# Altium PCB CL-HC-M-V2.1.PcbDoc (part 10 of 19)
Units mil, origin at the board's own origin, x right, y up, seen from the top; angles counter-clockwise.
Board outline 27559.06 x 27559.06 mil, 2 copper layers (TopLayer, BottomLayer); 704 components, 528 nets, 2453 pads, 1851 vias.
Unrouted connection lines stored in the file: 126.
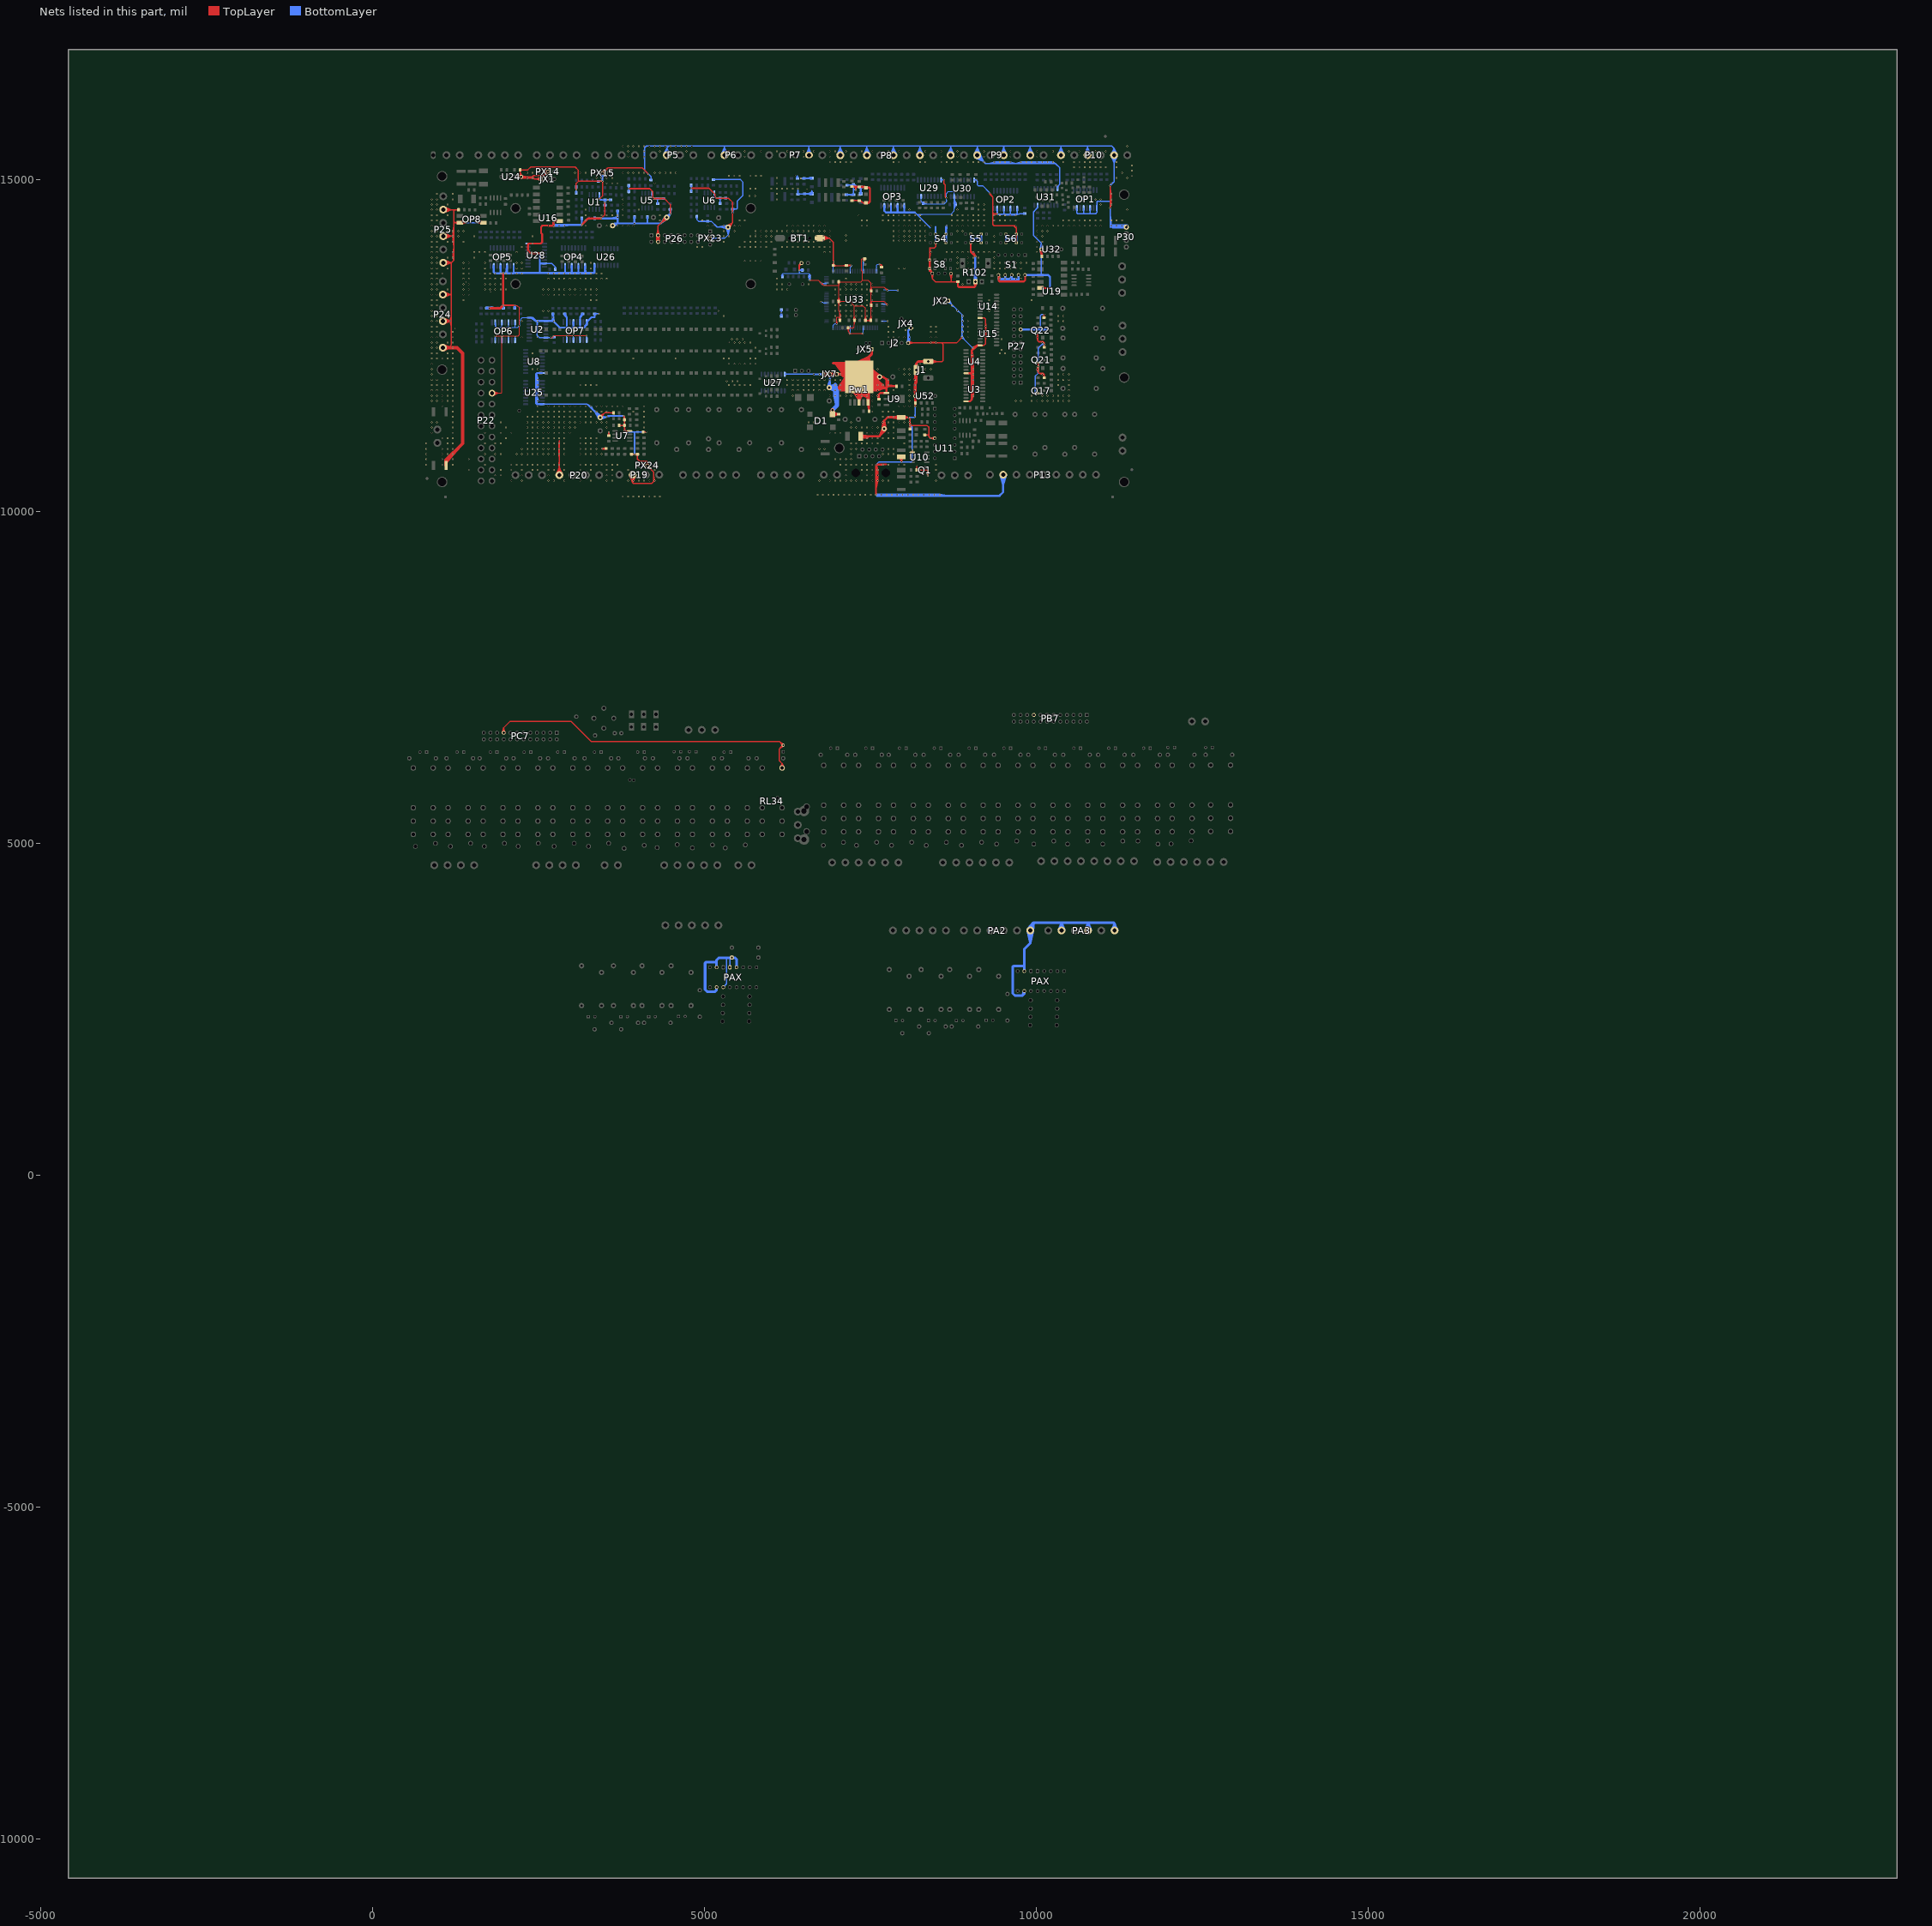
[diagram p10: the nets of this part, all layers, seen from the top]

## Via types
v1: diameter 25, hole 15, TopLayer to BottomLayer, tented both sides, 1813 vias
v2: diameter 20, hole 12, TopLayer to BottomLayer, tented both sides, 24 vias
v3: diameter 25, hole 15, TopLayer to BottomLayer, 13 vias
v4: diameter 40, hole 24, TopLayer to BottomLayer, tented both sides, 1 vias

## Nets (pads, with @x,y where several pads share a name; then routed paths per layer and width w, separated by ;. In a path a pad name is that pad's centre, name@x,y a point inside that pad or via, vN(x,y) a via of type N, cw(c..) or ccw(c..) an arc to the next point about the centre after c; other vN are vias at no path point) (continued)
GND: (continued)
  TopLayer w30: v1(1970.4,13592.11) v1(1970.4,13106.7) ; 2072.9,13106.58 v1(1970.4,13106.7) ; v1(2142.5,13106.58) v1@1970.51,13106.58 ; 2418.51,13890.86 v1(2521.01,13890.86) 2387.57,13890.86 2343.36,13935.08 2343.36,14028.93 2353.44,14039.01 ; 2514.79,14039.01 v1(2412.27,14038.36) 2353.44,14039.01 ; 2628.44,14308.37 v1(2731.13,14305.98) ; U16.3@2803.61,14374.76 v1(2725.75,14374.76) ; U16.3@2823.29,14374.76 v1(2725.75,14374.76) ; 3342.79,14417.71 v1(3445.29,14417.71) 3250.29,14417.71 ; C43.2@3514,10948.14 v1(3464.16,10948.14) C43.2@3519,10948.14 ; C39.1@3560.43,11145.96 v1(3560.43,11194.41) ; v1(6428.19,13637.37) 6428.19,13708.19 RESET1.2@6462.64,13742.64 ; Pw1.3@7144.97,11931.63 7331.74,11693.55 ; Pw1.3@7170.7,11949.73 7331.74,11693.55 ; Pw1.3@7197.74,11964.86 7331.74,11693.55 ; R4.1@7222.76,14895.04 7281.99,14895.04 ; Pw1.3@7225.44,11829.06 v1(7291.13,11745.98) ; Pw1.3@7225.85,11977.02 7331.74,11693.55 ; R4.1@7227.76,14895.04 7281.99,14895.04 ; Pw1.3@7240.18,11839.2 v1(7291.13,11745.98) ; Pw1.3@7252.92,11853.15 v1(7291.13,11745.98) ; Pw1.3@7254.78,11986.2 7331.74,11693.55 ; Pw1.3@7262.8,11878.12 v1(7291.13,11745.98) ; Pw1.3@7271.12,11924.07 v1(7291.13,11745.98) ; v1(7281.99,14846.87) 7281.99,14895.04 ; Pw1.3@7284.29,11992.4 7331.74,11693.55 ; C1.2@7308.54,14895.04 7427.76,14880.04 7337.76,14890.04 DW1.A@7417.76,14895.04 ; Pw1.3@7314.15,11995.63 7331.74,11693.55 ; 7317.55,11782.91 Pw1.3@7331.74,11670.99 ; 7326.58,11782.18 Pw1.3@7331.74,11670.99 ; C1.2@7327.76,14890.04 7281.99,14895.04 ; Pw1.3@7330.97,12010.26 C49.2@7636.33,12005.63 ; Pw1.3@7331.74,11642.84 7331.74,11862.61 Pw1.3@7331.74,12027.84 ; Pw1.3@7331.74,11996.15 7331.74,11693.55 ; Pw1.3@7331.74,12059.53 C49.2@7635.87,12053.37 ; Pw1.3@7331.89,12041.93 C49.2@7635.87,12053.37 ; Pw1.3@7331.99,11980.24 C49.2@7636.33,12005.63 ; Pw1.3@7332.6,12077.11 C49.2@7635.87,12053.37 ; Pw1.3@7333.44,12029.54 Pw1.3@7331.74,12027.84 ; Pw1.3@7333.52,12045.35 C49.2@7636.33,12005.63 ; Pw1.3@7334.5,12012.01 C49.2@7635.87,12053.37 ; Pw1.3@7335.97,11950.36 C49.2@7636.33,12005.63 ; Pw1.3@7336.42,12106.9 C49.2@7635.87,12053.37 ; 7336.9,11782.18 Pw1.3@7331.74,11670.99 ; Pw1.3@7338.89,12074.9 C49.2@7636.33,12005.63 ; Pw1.3@7340.07,11982.38 C49.2@7635.87,12053.37 ; Pw1.3@7342.94,11920.83 C49.2@7636.33,12005.63 ; Pw1.3@7343.19,12136.28 C49.2@7635.87,12053.37 ; 7345.93,11782.91 Pw1.3@7331.74,11670.99 ; Pw1.3@7347.17,12103.89 C49.2@7636.33,12005.63 ; Pw1.3@7348.62,11953.27 C49.2@7635.87,12053.37 ; Pw1.3@7349.33,11995.63 7331.74,11693.55 ; Pw1.3@7352.9,11891.88 C49.2@7636.33,12005.63 ; Pw1.3@7352.91,12165.03 C49.2@7635.87,12053.37 ; DZ1.A@7353.77,11134.27 7639.59,11134.27 ; DZ1.A@7355.37,11154.2 7478.77,11134.27 ; Pw1.3@7358.35,12132.1 C49.2@7636.33,12005.63 ; Pw1.3@7360.14,11924.9 C49.2@7635.87,12053.37 ; Pw1.3@7365.57,12192.91 C49.2@7635.87,12053.37 ; Pw1.3@7365.88,11863.76 C49.2@7636.33,12005.63 ; Pw1.3@7372.4,12159.29 C49.2@7636.33,12005.63 ; Pw1.3@7374.63,11897.52 C49.2@7635.87,12053.37 ; Pw1.3@7379.19,11992.4 7331.74,11693.55 ; Pw1.3@7381.17,12219.68 C49.2@7635.87,12053.37 ; Pw1.3@7381.9,11836.71 C49.2@7636.33,12005.63 ; Pw1.3@7389.33,12185.23 C49.2@7636.33,12005.63 ; Pw1.3@7391.16,11919.5 v1(7371.13,11745.98) ; Pw1.3@7392.12,11871.38 C49.2@7635.87,12053.37 ; Pw1.3@7399.53,11875.04 v1(7371.13,11745.98) ; Pw1.3@7399.69,12245.08 C49.2@7635.87,12053.37 ; Pw1.3@7408.7,11986.2 7331.74,11693.55 ; Pw1.3@7409.09,12209.67 C49.2@7636.33,12005.63 ; Pw1.3@7409.64,11851.29 v1(7371.13,11745.98) ; Pw1.3@7422.38,12029.54 C49.2@7640.45,12029.54 ; Pw1.3@7422.72,11838.29 v1(7371.13,11745.98) ; DW5.A@7432.76,14650.04 7476.39,14650.04 ; Pw1.3@7437.64,11828.54 v1(7371.13,11745.98) ; Pw1.3@7437.62,11977.02 7331.74,11693.55 ; DW1.A@7437.76,14880.04 7484.46,14880.04 ; Pw1.3@7465.73,11964.86 7331.74,11693.55 ; Pw1.5@7482.38,11628.36 7482.38,11518.36 7465.6,11614.69 C47.2@7482.38,11513.36 7482.38,11859.96 Pw1.3@7482.38,11877.2 ; Pw1.3@7492.78,11949.73 7331.74,11693.55 ; Pw1.3@7518.51,11931.63 7331.74,11693.55 ; v1(7586.22,10254.24) 7586.22,10687.85 ; 7586.22,10349.42 v1(7611.13,10465.98) ; 7586.22,10429.06 v1(7611.13,10545.98) ; 7586.22,10508.86 v1(7611.13,10625.98) ; C49.2@7638.16,12005.28 Pw1.3@7511.08,12029.54 ; C49.2@7638.16,12053.8 Pw1.3@7511.08,12029.54 ; C49.2@7645.85,12005.78 7695.44,12029.54 ; C49.2@7645.85,12053.31 7695.44,12029.54 ; C46.2@7689.48,11258.07 7639.59,11134.27 ; v1@7691.76,10709.89 v1(7588.58,10705.33) ; U9.1@7718.71,11787.14 7651.39,11787.14 ; C46.2@7730.45,11232.05 7639.59,11134.27 ; C50.2@7881.44,11888.18 v1(7771.13,11905.98) ; C50.2@7895.52,11888.18 7767.45,11888.18 ; D3.A@7955.68,11417.65 v1(7851.13,11425.98) ; D3.A@8002.38,11417.65 D3.A@7966.46,11417.65 7756.75,11417.65 ; S8.1@8395.28,13790 S8.1@8395.28,13660.08 ; C38.2@8818.93,13459.7 8818.93,13398.65 ; C38.2@8818.93,13464.7 8818.93,13398.65 ; U3.8@8944.27,11659.99 9002.41,11659.99 ; U4.8@8944.27,12083.43 9008.75,12083.43 ; U3.8@8969.27,11659.99 9002.41,11659.99 ; U4.8@8969.27,12083.43 9008.75,12083.43 ; S5.2@9014.02,14050.08 9014.02,13914.86 ; 9027.91,11711.41 v1(9051.13,11825.98) ; 9027.91,11790.76 v1(9051.13,11905.98) ; 9027.91,11951.19 v1(9051.13,12065.98) ; 9027.91,12111.17 v1(9051.13,12225.98) ; 9027.91,12420.17 v1(9051.13,12305.98) ; R102.2@9065.25,13453.44 9082.56,13395.88 ; R102.2@9082.56,13455.99 9082.56,13395.88 ; R102.2@9082.56,13463.49 9082.56,13395.88 ; R102.2@9099.88,13453.44 9082.56,13395.88 ; U15.8@9153.64,12504.54 9111.11,12504.54 ; S1.10@9832.76,13565.04 9832.76,13484.58 9814.18,13466 9446.08,13466 9432.76,13479.32 ; v1(1970.4,13106.7) v1@1970.51,13106.58 ; v1(1970.4,13106.7) 1949.46,13085.76 1970.28,13106.58 v1@1970.51,13106.58 ; 2353.44,14039.01 2534.17,14039.01 2556.67,14061.51 2556.67,14178.01 2539.14,14195.54 2539.14,14287.15 2560.36,14308.37 ; 2560.36,14308.37 2717.17,14308.37 ; 2560.36,14308.37 v1(2651.13,14305.98) ; v1(2651.13,14305.98) 2717.17,14308.37 ; v1(2651.13,14305.98) v1(2731.13,14305.98) ; 2717.17,14308.37 2725.75,14316.94 v1(2725.75,14374.76) ; 2717.17,14308.37 v1(2731.13,14305.98) ; 2717.17,14308.37 v1(2731.13,14305.98) ; 2717.17,14308.37 v1(2731.13,14305.98) ; v1(2725.75,14374.76) v1(2731.13,14305.98) ; 3250.29,14417.71 v1(3152.74,14320.16) v1(3211.13,14385.98) 3250.29,14417.71 ; D1.4@6928.71,11466.78 D1.4@6929.38,11467.45 ; D1.4@6928.71,11466.78 C44.2@7022.52,11467.45 ; D1.4@6928.71,11466.78 C44.2@7017.52,11467.45 ; D1.4@6929.38,11467.45 C44.2@7022.52,11467.45 ; D1.4@6929.38,11467.45 C44.2@7017.52,11467.45 ; C44.2@7017.52,11467.45 6932.78,11494.8 C44.2@7022.52,11467.45 ; C44.2@7017.52,11467.45 6933.18,11438.83 C44.2@7022.52,11467.45 ; 7281.99,14895.04 DW1.A@7417.76,14895.04 ; v1(7291.13,11745.98) Pw1.3@7331.74,11670.99 ; v1(7291.13,11745.98) 7307.96,11783.96 Pw1.3@7331.74,11670.99 ; v1(7291.13,11745.98) Pw1.3@7331.74,11670.99 ; v1(7291.13,11745.98) 7270.41,11771.72 Pw1.3@7331.74,11670.99 ; v1(7291.13,11745.98) Pw1.3@7331.74,11670.99 ; v1(7291.13,11745.98) 7278.57,11778.12 Pw1.3@7331.74,11670.99 ; v1(7291.13,11745.98) Pw1.3@7331.74,11670.99 ; v1(7291.13,11745.98) 7286.38,11785.4 Pw1.3@7331.74,11670.99 ; v1(7291.13,11745.98) Pw1.3@7331.74,11670.99 ; v1(7291.13,11745.98) 7297.61,11784.92 Pw1.3@7331.74,11670.99 ; v1(7291.13,11745.98) 7331.74,11693.55 ; v1(7291.13,11745.98) 7331.74,11693.55 ; v1(7291.13,11745.98) 7331.74,11693.55 ; v1(7291.13,11745.98) 7331.74,11693.55 ; v1(7291.13,11745.98) 7331.74,11693.55 ; Pw1.3@7331.74,11670.99 7331.74,11782.05 Pw1.3@7331.74,11670.99 ; Pw1.3@7331.74,11670.99 7331.74,11693.55 ; Pw1.3@7331.74,11670.99 7331.74,11693.55 ; Pw1.3@7331.74,11670.99 7331.74,11693.55 ; Pw1.3@7331.74,11670.99 7331.74,11693.55 ; Pw1.3@7331.74,11670.99 7331.74,11693.55 ; Pw1.3@7331.74,11670.99 7331.74,11693.55 ; Pw1.3@7331.74,11670.99 7331.74,11693.55 ; Pw1.3@7331.74,11670.99 7331.74,11693.55 ; Pw1.3@7331.74,11670.99 7331.74,11693.55 ; Pw1.3@7331.74,11670.99 7331.74,11693.55 ; Pw1.3@7331.74,11670.99 7393.06,11771.72 v1(7371.13,11745.98) ; Pw1.3@7331.74,11670.99 7331.74,11693.55 ; Pw1.3@7331.74,11670.99 7384.9,11778.12 v1(7371.13,11745.98) ; Pw1.3@7331.74,11670.99 7331.74,11693.55 ; Pw1.3@7331.74,11670.99 7377.1,11785.4 v1(7371.13,11745.98) ; Pw1.3@7331.74,11670.99 7331.74,11693.55 ; Pw1.3@7331.74,11670.99 7365.87,11784.92 v1(7371.13,11745.98) ; Pw1.3@7331.74,11670.99 7331.74,11693.55 ; Pw1.3@7331.74,11670.99 7355.52,11783.96 v1(7371.13,11745.98) ; Pw1.3@7331.74,11670.99 7331.74,11693.55 ; Pw1.3@7331.74,11670.99 v1(7371.13,11745.98) ; Pw1.3@7331.74,11670.99 v1(7371.13,11745.98) ; Pw1.3@7331.74,11670.99 v1(7371.13,11745.98) ; Pw1.3@7331.74,11670.99 v1(7371.13,11745.98) ; Pw1.3@7331.74,11670.99 v1(7371.13,11745.98) ; 7331.74,11693.55 v1(7371.13,11745.98) ; 7331.74,11693.55 v1(7371.13,11745.98) ; 7331.74,11693.55 v1(7371.13,11745.98) ; 7331.74,11693.55 v1(7371.13,11745.98) ; 7331.74,11693.55 v1(7371.13,11745.98) ; Pw1.3@7331.74,12027.84 C49.2@7636.33,12005.63 ; Pw1.3@7331.74,12027.84 C49.2@7634.34,12029.54 ; Pw1.3@7331.74,12027.84 C49.2@7634.34,12029.54 ; DW1.A@7417.76,14895.04 DW1.A@7432.76,14880.04 7484.46,14880.04 ; DW5.A@7437.76,14650.04 7496.02,14669.66 ; DW5.A@7437.76,14650.04 7476.39,14650.04 ; DW5.A@7437.76,14650.04 7476.39,14650.04 ; 7476.39,14650.04 7496.02,14669.66 ; 7478.77,11134.27 7355.37,11114.33 v1(7451.13,11105.98) 7478.77,11134.27 ; 7484.46,14880.04 7496.02,14868.48 7496.02,14669.66 ; Pw1.3@7511.08,12029.54 C49.2@7640.45,12029.54 ; 7586.22,10687.85 7608.26,10709.89 ; 7586.22,10687.85 v1(7588.58,10705.33) ; 7586.22,10687.85 v1(7588.58,10705.33) ; 7586.22,10687.85 v1(7611.13,10625.98) ; v1(7588.58,10705.33) 7586.22,10602.62 v1(7611.13,10625.98) ; v1(7588.58,10705.33) 7608.26,10709.89 ; v1(7588.58,10705.33) 7608.26,10709.89 ; v1(7588.58,10705.33) v1(7611.13,10625.98) ; v1(7588.58,10705.33) v1(7691.13,10705.98) ; 7608.26,10709.89 7740.51,10709.89 v1(7691.13,10705.98) ; 7608.26,10709.89 v1(7691.13,10705.98) ; v1(7611.13,10465.98) 7586.22,10582.6 v1(7611.13,10545.98) ; v1(7611.13,10465.98) v1(7611.13,10545.98) ; v1(7611.13,10545.98) 7586.22,10661.91 v1(7611.13,10625.98) ; v1(7611.13,10545.98) v1(7611.13,10625.98) ; 7631.8,11767.55 7651.39,11787.14 ; 7631.8,11767.55 C48.2@7631.8,11693.26 v1(7611.13,11745.98) 7631.8,11767.55 ; C49.2@7634.34,12029.54 7395.2,12214.97 C49.2@7634.34,12029.54 ; C49.2@7634.34,12029.54 7397.3,11841.44 C49.2@7634.34,12029.54 ; C49.2@7634.34,12029.54 7377.24,12189.14 C49.2@7634.34,12029.54 ; C49.2@7634.34,12029.54 7379.06,11867.06 C49.2@7634.34,12029.54 ; C49.2@7634.34,12029.54 7362.27,12162.01 C49.2@7634.34,12029.54 ; C49.2@7634.34,12029.54 7363.78,11894.02 C49.2@7634.34,12029.54 ; C49.2@7634.34,12029.54 7350.27,12133.83 C49.2@7634.34,12029.54 ; C49.2@7634.34,12029.54 7351.46,11922.06 C49.2@7634.34,12029.54 ; C49.2@7634.34,12029.54 7341.26,12104.85 C49.2@7634.34,12029.54 ; C49.2@7634.34,12029.54 7342.12,11950.94 C49.2@7634.34,12029.54 ; C49.2@7634.34,12029.54 7335.22,12075.31 C49.2@7634.34,12029.54 ; C49.2@7634.34,12029.54 7335.75,11980.41 C49.2@7634.34,12029.54 ; C49.2@7634.34,12029.54 7332.15,12045.43 C49.2@7634.34,12029.54 ; C49.2@7634.34,12029.54 7332.35,12010.25 C49.2@7634.34,12029.54 ; 7639.59,11134.27 7711.16,11205.84 C46.2@7711.16,11246.94 ; 7639.59,11134.27 C46.2@7711.16,11246.94 ; C49.2@7640.45,12029.54 7695.44,12029.54 ; 7651.39,11787.14 U9.1@7744.3,11787.14 7744.3,11865.03 ; v1(7691.13,11345.98) 7711.16,11372.06 ; v1(7691.13,11345.98) C46.2@7711.16,11246.94 ; v1(7691.13,11345.98) 7735.42,11249.31 7711.16,11372.06 ; v1(7691.13,11345.98) 7711.16,11372.06 ; v1(7691.13,11345.98) 7711.16,11372.06 ; v1(7691.13,11345.98) 7686.91,11249.31 7711.16,11372.06 ; 7695.44,12029.54 7744.3,11980.68 ; 7695.44,12029.54 v1(7771.13,11985.98) ; C46.2@7711.16,11246.94 7711.16,11372.06 ; 7711.16,11372.06 7756.75,11417.65 ; 7711.16,11372.06 v1(7771.13,11425.98) ; 7744.3,11865.03 7767.45,11888.18 ; 7744.3,11865.03 7744.3,11911.34 ; 7744.3,11865.03 v1(7771.13,11905.98) ; 7744.3,11865.03 v1(7771.13,11905.98) ; 7744.3,11911.34 7744.3,11980.68 ; 7744.3,11911.34 7760.39,11895.24 7767.45,11888.18 ; 7744.3,11911.34 v1(7771.13,11905.98) ; 7744.3,11911.34 v1(7771.13,11905.98) ; 7744.3,11911.34 v1(7771.13,11905.98) ; 7744.3,11911.34 v1(7771.13,11985.98) ; 7744.3,11980.68 v1(7771.13,11905.98) ; 7744.3,11980.68 v1(7771.13,11985.98) ; 7744.3,11980.68 v1(7771.13,11985.98) ; 7744.3,11980.68 v1(7771.13,11985.98) ; 7756.75,11417.65 v1(7771.13,11425.98) ; 7756.75,11417.65 v1(7771.13,11425.98) ; 7756.75,11417.65 v1(7851.13,11425.98) ; 7767.45,11888.18 v1(7771.13,11905.98) ; 7767.45,11888.18 v1(7771.13,11905.98) ; 7767.45,11888.18 v1(7771.13,11905.98) ; v1(7771.13,11425.98) 7875.87,11417.65 v1(7851.13,11425.98) ; v1(7771.13,11425.98) v1(7851.13,11425.98) ; v1(7771.13,11905.98) v1(7771.13,11985.98) ; 7809.53,11417.65 7932.93,11397.71 v1(7851.13,11425.98) ; 7809.53,11417.65 7932.93,11437.58 v1(7851.13,11425.98) ; 7809.53,11417.65 7934.53,11417.65 v1(7851.13,11425.98) ; 7809.53,11417.65 v1(7851.13,11425.98) ; 7809.53,11417.65 v1(7851.13,11425.98) ; 7809.53,11417.65 v1(7851.13,11425.98) ; 8395.28,13626.64 pad.2@8435.27,13586.65 ; 8395.28,13626.64 S8.1@8395.28,13660.08 ; 8395.28,13626.64 pad.2@8435.27,13586.65 ; 8395.28,13626.64 S8.1@8395.28,13660.08 ; 8395.28,13626.64 S8.1@8395.28,13660.08 ; S8.1@8395.28,13660.08 pad.2@8435.27,13586.65 ; S8.1@8395.28,13660.08 pad.2@8435.27,13586.65 ; 8818.93,13398.65 8833.76,13383.82 9070.5,13383.82 9082.56,13395.88 ; 9002.41,11659.99 9027.91,11685.49 ; 9008.75,12083.43 9027.91,12064.27 ; 9008.75,12083.43 v1(9051.13,12065.98) ; 9014.02,13914.86 9085.68,13843.2 v1(9051.13,13905.98) ; 9014.02,13914.86 v1(9082.56,13845.41) v1(9051.13,13905.98) ; 9014.02,13914.86 v1(9051.13,13905.98) ; 9014.02,13914.86 v1(9051.13,13905.98) ; 9027.91,11685.49 9027.91,11905.98 ; 9027.91,11685.49 v1(9051.13,11745.98) ; 9027.91,11905.98 9027.91,12064.27 ; 9027.91,11905.98 v1(9051.13,11825.98) ; 9027.91,11905.98 v1(9051.13,11905.98) ; 9027.91,11905.98 v1(9051.13,11905.98) ; 9027.91,11905.98 v1(9051.13,11905.98) ; 9027.91,11905.98 v1(9051.13,11985.98) ; 9027.91,12064.27 9027.91,12225.98 ; 9027.91,12064.27 v1(9051.13,11985.98) ; 9027.91,12064.27 v1(9051.13,12065.98) ; 9027.91,12064.27 v1(9051.13,12065.98) ; 9027.91,12064.27 v1(9051.13,12065.98) ; 9027.91,12064.27 v1(9051.13,12065.98) ; 9027.91,12064.27 v1(9051.13,12145.98) ; 9027.91,12225.98 9027.91,12305.98 ; 9027.91,12225.98 v1(9051.13,12145.98) ; 9027.91,12225.98 v1(9051.13,12225.98) ; 9027.91,12225.98 v1(9051.13,12225.98) ; 9027.91,12225.98 v1(9051.13,12225.98) ; 9027.91,12225.98 v1(9051.13,12305.98) ; 9027.91,12305.98 9027.91,12421.34 ; 9027.91,12305.98 v1(9035.04,12360.67) ; 9027.91,12305.98 v1(9051.13,12225.98) ; 9027.91,12305.98 v1(9051.13,12305.98) ; 9027.91,12305.98 v1(9051.13,12305.98) ; 9027.91,12305.98 v1(9051.13,12305.98) ; 9027.91,12305.98 v1(9051.13,12305.98) ; 9027.91,12421.34 9111.11,12504.54 ; 9027.91,12421.34 v1(9035.04,12360.67) ; 9027.91,12421.34 v1(9051.13,12465.98) ; v1(9035.04,12360.67) v1(9051.13,12305.98) ; v1(9051.13,11745.98) 9027.91,11860.77 v1(9051.13,11825.98) ; v1(9051.13,11745.98) v1(9051.13,11825.98) ; v1(9051.13,11825.98) v1(9051.13,11905.98) ; v1(9051.13,11905.98) 9027.91,12020.76 v1(9051.13,11985.98) ; v1(9051.13,11905.98) v1(9051.13,11985.98) ; v1(9051.13,11985.98) v1(9051.13,12065.98) ; v1(9051.13,12065.98) 9027.91,12180.77 v1(9051.13,12145.98) ; v1(9051.13,12065.98) v1(9051.13,12145.98) ; v1(9051.13,12145.98) v1(9051.13,12225.98) ; v1(9051.13,12225.98) v1(9051.13,12305.98) ; v1(9051.13,12465.98) 9111.11,12504.54 ; v1(9051.13,12465.98) U15.8@9128.64,12504.54 ; v1(9051.13,12465.98) 9043.07,12436.5 U15.8@9128.64,12504.54 ; 9111.11,12504.54 U15.8@9128.64,12504.54 ; 9111.11,12504.54 U15.8@9128.64,12504.54 ; 9432.76,13479.32 S1.6@9432.76,13565.04 v1(9451.13,13505.98) 9432.76,13479.32 ; v1(7451.13,11745.98) 7482.38,11783.73 7465.6,11670.99 v1(7451.13,11745.98)
  TopLayer w40: v1(1762.26,13063.58) 1927.28,13063.58 1949.46,13085.76 ; 6938.05,12235.76 Pw1.3@7284.34,12235.76 ; Pw1.3@7127.69,12017.99 v1(7051.13,11905.98) ; Pw1.3@7148.13,12006.64 v1(7051.13,11905.98) ; Pw1.3@7166.35,11992.21 v1(7051.13,11905.98) ; Pw1.3@7184.28,11976.89 v1(7051.13,11905.98) ; Pw1.3@7200.03,12200.06 7473.56,12324.43 ; Pw1.3@7205.82,11962.3 v1(7051.13,11905.98) ; Pw1.3@7205.89,12141.94 7029.67,11862.61 ; Pw1.3@7207.56,11912.31 6973.45,12235.76 ; Pw1.3@7219.91,12163.36 7473.56,12324.43 ; Pw1.3@7229.63,11951.01 v1(7051.13,11905.98) ; Pw1.3@7239.46,11937.99 6973.45,12235.76 ; Pw1.3@7239.46,12117.69 7029.67,11862.61 ; Pw1.3@7244.19,12130.33 7473.56,12324.43 ; Pw1.3@7268.29,11966.51 6973.45,12235.76 ; Pw1.3@7269.32,12089.86 7029.67,11862.61 ; Pw1.3@7272.34,12101.28 7473.56,12324.43 ; Pw1.3@7293.91,11997.57 6973.45,12235.76 ; Pw1.3@7295.27,12058.92 7029.67,11862.61 ; Pw1.3@7303.88,12076.45 7473.56,12324.43 ; Pw1.3@7308.27,11886.02 7700.62,11859.96 ; Pw1.3@7311.31,11804.63 7700.62,11859.96 ; Pw1.3@7312.99,11926.01 7700.62,11859.96 ; Pw1.3@7316.17,12030.89 6973.45,12235.76 ; Pw1.3@7317.1,12025.27 7029.67,11862.61 ; Pw1.3@7321.73,11965.12 7700.62,11859.96 ; Pw1.3@7324.19,11924.1 v1(7611.13,11905.98) ; Pw1.3@7342.47,11807.14 v1(7051.13,11825.98) 7029.67,11862.61 ; Pw1.3@7343.43,11965.72 7029.67,11862.61 ; Pw1.3@7344.29,12026.23 7700.62,11859.96 ; Pw1.3@7344.92,12089.35 6973.45,12235.76 ; Pw1.3@7353.62,11926.92 7029.67,11862.61 ; Pw1.3@7354.81,11810.82 v1(7611.13,11825.98) ; Pw1.3@7354.87,11804.94 7029.67,11862.61 ; Pw1.3@7357.73,12127.32 6973.45,12235.76 ; Pw1.3@7359.04,11886.91 7029.67,11862.61 ; Pw1.3@7359.53,11846.1 7029.67,11862.61 ; Pw1.3@7361.27,12045.73 7473.56,12324.43 ; Pw1.3@7363.06,12061.64 7700.62,11859.96 ; Pw1.3@7366.69,12166.57 6973.45,12235.76 ; Pw1.3@7371.68,12206.81 6973.45,12235.76 ; Pw1.3@7372.55,12247.76 6973.45,12235.76 ; Pw1.3@7374.93,11859.96 7465.6,11859.96 7482.38,11859.96 7721.22,11859.96 ; Pw1.3@7375.96,11862.61 7331.74,11862.61 7029.67,11862.61 ; Pw1.3@7385.46,12095.1 7700.62,11859.96 ; Pw1.3@7399.41,12033.25 7473.56,12324.43 ; Pw1.3@7411.36,12126.32 7700.62,11859.96 ; Pw1.3@7429.55,11935.2 v1(7611.13,11905.98) ; Pw1.3@7439.21,12025.93 7473.56,12324.43 ; Pw1.3@7440.66,12154.99 7700.62,11859.96 ; Pw1.3@7470,11945.1 v1(7611.13,11905.98) ; Pw1.3@7473.56,12117.57 7473.56,12324.43 ; Pw1.3@7480.15,12024.03 7473.56,12324.43 ; Pw1.3@7487.76,11959.28 v1(7611.13,11905.98) ; Pw1.3@7497.89,11981.09 v1(7611.13,11905.98) ; Pw1.3@7507.69,12003.9 v1(7611.13,11905.98) ; JX5.1@7518.58,12446.05 7518.58,12369.46 7473.56,12324.43 ; Pw1.3@7519.37,12026.87 v1(7611.13,11905.98) ; Pw1.3@7521.71,12027.84 7473.56,12324.43 ; 7544.48,11976.46 v1(7691.13,11905.98) ; 7560.9,11988.62 v1(7691.13,11905.98) ; 7576.3,12001.05 v1(7691.13,11905.98) ; 8177.95,11771.98 v1(8171.13,11905.98) ; C83.1@8182.42,11635.59 8177.95,11640.06 U52.1@8177.95,11739.99 ; C83.1@8182.42,11640.59 U52.1@8177.95,11739.99 ; J1.3@8192.1,12128.85 v1(8171.13,11985.98) ; J1.3@8192.1,12170.03 8192.1,12229.46 ; J1.2@8333.83,12260.58 8223.21,12260.58 ; J1.2@8373.2,12260.58 8223.21,12260.58 ; 6973.45,12235.76 7331.74,12059.53 7473.56,12324.43 ; 7029.67,11862.61 7331.74,11996.15 7700.62,11859.96 ; 7029.67,11862.61 v1(7051.13,11905.98) ; 7029.67,11862.61 v1(7051.13,11905.98) ; 7029.67,11862.61 v1(7051.13,11905.98) ; 7029.67,11862.61 v1(7051.13,11905.98) ; 7029.67,11862.61 v1(7051.13,11905.98) ; 7029.67,11862.61 v1(7051.13,11905.98) ; v1(7611.13,11825.98) 7700.62,11859.96 ; v1(7611.13,11825.98) 7700.62,11859.96 ; v1(7611.13,11825.98) 7307.67,11845.46 7700.62,11859.96 ; v1(7611.13,11905.98) 7700.62,11859.96 ; v1(7611.13,11905.98) 7700.62,11859.96 ; v1(7611.13,11905.98) 7700.62,11859.96 ; v1(7611.13,11905.98) 7700.62,11859.96 ; v1(7611.13,11905.98) 7700.62,11859.96 ; v1(7611.13,11905.98) 7700.62,11859.96 ; v1(7611.13,11905.98) 7700.62,11859.96 ; v1(7691.13,11905.98) 7700.62,11859.96 ; v1(7691.13,11905.98) 7700.62,11859.96 ; v1(7691.13,11905.98) 7700.62,11859.96 ; v1(8171.13,11825.98) 8177.95,11935.41 ; v1(8171.13,11825.98) U52.1@8177.95,11739.99 ; v1(8171.13,11825.98) v1(8171.13,11905.98) ; v1(8171.13,11905.98) 8192.1,11949.56 ; v1(8171.13,11905.98) 8177.95,11935.41 ; v1(8171.13,11905.98) 8177.95,11935.41 ; v1(8171.13,11905.98) 8177.95,11935.41 ; v1(8171.13,11985.98) 8192.1,11949.56 ; v1(8171.13,11985.98) 8192.1,12091.29 8192.1,11949.56 ; v1(8171.13,11985.98) 8192.1,11949.56 ; U52.1@8177.95,11739.99 8177.95,11935.41 ; 8177.95,11935.41 8192.1,11949.56 ; 8192.1,11949.56 J1.3@8192.1,12130.66 8192.1,12229.46 ; 8192.1,12229.46 8223.21,12260.58
  TopLayer w50: P24.1@1058.64,12469.2 1144.32,12469.2 ; P24.1@1065.41,12435.82 1144.32,12469.2 ; P24.1@1065.41,12502.58 1144.32,12469.2 ; F17.1@1107.38,10694.18 1107.38,10774.61 ; 1324.3,10991.53 v1(1211.13,10865.98) ; F17.1@1107.38,10737.48 1107.38,10774.61 ; F17.1@1107.38,10737.48 1218.82,10886.04 v1(1211.13,10865.98) ; F17.1@1107.38,10737.48 1107.38,10774.61 ; F17.1@1107.38,10737.48 v1(1211.13,10865.98) ; 1107.38,10774.61 1356.68,11023.91 1356.68,12386.17 1273.65,12469.2 ; 1107.38,10774.61 v1(1211.13,10865.98) ; 1144.32,12469.2 1273.65,12469.2 ; 1144.32,12469.2 v1(1211.13,12465.98) 1273.65,12469.2
  TopLayer w60: D1.4@6928.71,11466.78 pad.1@6928.71,11527.38 ; D1.4@6928.71,11466.78 pad.1@6929.54,11528.21 ; D1.4@6928.71,11466.78 pad.1@6929.54,11528.21 ; D1.4@6928.71,11466.78 pad.1@6928.71,11527.38 ; pad.1@6928.71,11527.38 pad.1@6929.54,11528.21
  BottomLayer w10: C26.2@5412.03,14554.53 v1@5426.86,14506.78 ; v1@5419.47,14498.69 C26.2@5416.01,14541.73 ; v1@5419.79,14502.44 C26.2@5437.72,14541.73 ; v1@5433.93,14502.44 C26.2@5416.01,14541.73 ; v1@5434.26,14498.69 C26.2@5437.72,14541.73 ; C26.2@5441.69,14554.53 v1@5426.86,14506.78 ; C79.2@6161.07,13547.27 6175.65,13575.45 ; C79.2@6175.65,13538.72 6175.65,13575.45 ; C79.2@6175.65,13543.72 6175.65,13575.45 ; C79.2@6190.22,13547.27 6175.65,13575.45 ; R13.1@6386.84,15020.43 6401.61,15060.84 ; R13.1@6401.61,15017.82 6401.61,15060.84 ; R13.1@6416.38,15020.43 6401.61,15060.84 ; v1@6420.74,13636.44 6429.72,13594.81 ; v1@6435.68,13636.98 6429.72,13594.81 ; C81.2@6570.42,13531.31 v1(6585.22,13487.15) ; C81.2@6570.68,13547.41 6585.22,13574.24 ; v1@6577.93,13485.39 6571.5,13528.09 v1@6592.1,13490.14 ; v1@6578.35,13490.14 6598.95,13528.09 v1@6592.51,13485.39 ; C81.2@6585.22,13533.72 v1(6585.22,13487.15) ; C81.2@6585.22,13543.72 6585.22,13574.24 ; C81.2@6599.76,13547.41 6585.22,13574.24 ; C81.2@6600.03,13531.31 v1(6585.22,13487.15) ; v1@6756.12,13437.17 6772.34,13421.79 ; v1(6759.68,13157.06) 6783.68,13157.06 ; v1@6760.85,13149.65 6783.68,13157.06 ; v1@6760.85,13164.47 6783.68,13157.06 ; v1@6764.01,13434.41 6776.28,13441.48 ; v1@6764.21,13448.88 6776.28,13441.48 ; v1@6769.27,13443.93 6772.34,13421.79 ; 6776.28,13421.79 U33.30@6811.03,13421.79 ; U33.16@6811.03,13146.2 6794.54,13146.2 ; U33.31@6811.03,13441.48 6776.28,13441.48 ; U33.16@6841.28,13146.2 6794.54,13146.2 ; U33.30@6841.28,13421.79 6772.34,13421.79 ; U33.31@6841.28,13441.48 6762.32,13441.48 v1(6762.12,13441.67) ; v1@6936.17,13761.09 6943.65,13719.26 ; U33.143@6943.65,12768.25 6943.65,12804.77 ; U33.38@6943.65,13622.58 v1(6943.65,13761.76) 6943.65,13719.26 ; U33.38@6943.65,13652.83 6943.65,13687.58 ; v1@6951.12,13761.09 6943.65,13719.26 ; v1@6994.18,12822.86 6969.15,12830.28 ; v1@6994.18,12837.7 6969.15,12830.28 ; v1@7183.43,12682.82 7190.77,12699.95 ; v1(7190.77,12681.31) 7190.77,12699.95 ; v1@7198.12,12682.82 7190.77,12699.95 ; U33.130@7199.55,12738 7199.55,12708.73 ; U33.130@7199.55,12768.25 7199.55,12708.73 ; U33.51@7199.55,13622.58 7199.55,13676.59 ; U33.51@7199.55,13652.83 7199.55,13676.59 ; v1@7205.1,13709.37 7212.48,13689.52 ; v1@7219.86,13709.37 7212.48,13689.52 ; v1@7380.28,12682.82 7387.62,12699.95 ; v1(7387.62,12681.31) 7387.62,12699.95 ; v1@7394.97,12682.82 7387.62,12699.95 ; v1@7396.15,13775.25 7396.4,13729.81 ; U33.120@7396.4,12738 7396.4,12708.73 ; U33.120@7396.4,12768.25 7396.4,12708.73 ; U33.61@7396.4,13622.58 7396.4,13770.27 v1@7402.21,13776.09 ; U33.61@7396.4,13652.83 7396.4,13687.58 ; v1(7403.63,13774.68) 7396.4,13729.81 ; v1@7410.91,13772.88 7396.4,13729.81 ; U33.71@7593.25,13622.58 7593.25,13711.3 7596.43,13714.48 ; U33.71@7593.25,13652.83 7593.25,13687.58 ; 7599.05,13683.19 7596.43,13685.81 7596.43,13714.48 ; v1@7633.58,13718.99 7608.37,13726.42 ; v1@7633.58,13733.84 7608.37,13726.42 ; U33.107@7695.61,12870.61 7761.02,12870.61 v1(7761.15,12870.48) ; U33.94@7695.61,13126.52 7744.42,13126.52 ; U33.83@7695.61,13343.05 v1@7749.45,13343.05 ; U33.94@7725.86,13126.52 7744.42,13126.52 ; U33.83@7725.86,13343.05 v1@7749.45,13343.05 ; v1(7756.22,13114.42) 7756.22,13114.72 7744.42,13126.52 ; v1@7758.54,13327.15 7800.38,13334.62 v1@7758.54,13342.09 ; v1@7760.33,12863.03 U33.107@7725.86,12870.61 ; v1@7760.38,12877.94 U33.107@7725.86,12870.61 ; v1@7760.47,12863.02 U33.107@7718.65,12870.61 ; v1@7760.51,12877.96 U33.107@7718.65,12870.61 ; v1@7760.61,12870.61 U33.107@7725.86,12870.61 ; v1@7916.28,13327.15 7874.44,13334.62 ; v1@7916.28,13342.09 7874.44,13334.62 ; JX4.1@8111.34,12754.43 JX4.1@8111.34,12765.15 ; JX2.1@8659.03,13156.92 8723.9,13126.23 ; JX2.1@8663.98,13165.71 8723.9,13126.23 ; JX2.1@8673.16,13176.97 8878.51,12971.62 ; JX2.1@8684.41,13186.15 8723.9,13126.23 ; JX2.1@8693.21,13191.09 8723.9,13126.23 ; v1@8724.62,13102.27 8703.87,13146.25 ; v1@8727.38,13099.49 8772.2,13077.92 ; v1@8735.82,13111.84 8772.2,13077.92 ; v1@8737,13110.65 8703.87,13146.25 ; v1@8804.64,13022.23 8783.06,13067.07 ; v1@8807.42,13019.46 8851.32,12998.8 ; v1@8815.8,13031.85 8851.32,12998.8 ; v1@8816.99,13030.67 8783.06,13067.07 ; v1@8877.32,12624.72 8878.51,12669.37 ; v1@8879.64,12619.72 8916.65,12589.71 ; v1@8883.76,12704.61 8878.51,12753.29 ; v1@8883.76,12707.38 8878.51,12659.59 ; v1@8883.76,12784.6 8878.51,12833.06 ; v1@8883.76,12787.36 8878.51,12738.91 ; v1@8883.76,12864.58 8878.51,12912.41 ; v1@8883.76,12867.36 8878.51,12818.68 ; v1@8883.76,12947.35 8878.51,12898.56 ; v1@8884.03,12943.58 8878.51,12971.62 ; v1@8890.76,12629.71 8916.65,12589.71 ; v1@8892.11,12626.83 8878.51,12669.37 ; v1@8897.37,12950.15 8878.51,12971.62 ; v1@8898.19,12703.45 8878.51,12659.59 ; v1@8898.21,12783.49 8878.51,12738.91 ; v1@8898.21,12788.48 8878.51,12833.06 ; v1@8898.19,12868.51 8878.51,12912.41 ; v1@8898.21,12708.47 8878.51,12753.29 ; v1@8898.21,12863.5 8878.51,12818.68 ; v1@8898.21,12943.5 8878.51,12898.56 ; v1@9027.57,12361.33 9035.04,12403.17 v1@9042.51,12361.33 ; v1(9035.04,12360.67) 9035.04,12471.32 ; v1@9043.86,12467.8 9035.04,12417.07 ; v1@9046.27,12460.28 9011.44,12494.91 ; v1@9055.08,12472.36 9011.44,12494.91 ; v1@9058.07,12463.12 9035.04,12417.07 ; C26.2@5416.01,14541.73 v1(5426.86,14499.93) ; v1(5426.86,14499.93) C26.2@5426.86,14556.78 v1@5426.86,14506.78 ; v1(5426.86,14499.93) C26.2@5437.72,14541.73 ; v1(5426.86,14499.93) C26.2@5426.86,14542.43 ; C26.2@5426.86,14542.43 5419.39,14500.6 C26.2@5426.86,14542.43 ; C26.2@5426.86,14542.43 5434.33,14500.6 C26.2@5426.86,14542.43 ; 6175.65,13575.45 6188.24,13588.04 6429.72,13588.04 ; 6429.72,13588.04 6429.72,13635.84 v1(6428.19,13637.37) 6429.72,13594.81 ; 6429.72,13588.04 6571.41,13588.04 6585.22,13574.24 ; v1(6585.22,13487.15) C81.2@6585.22,13538.72 6585.22,13574.24 ; C81.2@6585.22,13529.65 6577.75,13487.81 C81.2@6585.22,13529.65 ; C81.2@6585.22,13529.65 6592.69,13487.81 C81.2@6585.22,13529.65 ; v1(6762.12,13441.67) 6762.12,13432.01 6772.34,13421.79 ; v1(6762.12,13441.67) 6772.34,13421.79 ; v1(6762.12,13441.67) 6804.62,13441.48 ; v1(6762.12,13441.67) 6776.28,13441.48 ; v1(6762.12,13441.67) 6804.62,13441.48 ; 6783.68,13157.06 6794.54,13146.2 ; 6804.62,13441.48 6762.82,13449.14 6804.62,13441.48 ; 6804.62,13441.48 6762.75,13434.2 6804.62,13441.48 ; 6943.65,12804.77 6969.15,12830.28 ; 6943.65,12804.77 6943.65,12798.5 6943.65,12804.77 ; 6969.15,12830.28 v1(6995.26,12830.28) 6969.15,12830.28 ; 7190.77,12699.95 7199.55,12708.73 ; 7199.55,13676.59 7212.48,13689.52 ; 7212.48,13689.52 v1(7212.48,13710.7) 7212.48,13689.52 ; 7387.62,12699.95 7396.4,12708.73 ; 7596.43,13714.48 7608.37,13726.42 ; 7608.37,13726.42 v1(7634.65,13726.42) 7608.37,13726.42 ; U33.107@7718.65,12870.61 v1(7761.15,12870.48) ; U33.107@7725.86,12870.61 v1(7761.15,12870.48) ; v1@7749.45,13343.05 v1(7757.88,13334.62) v1(7916.94,13334.62) 7874.44,13334.62 ; 8703.87,13146.25 v1(8731.13,13105.98) 8772.2,13077.92 ; 8783.06,13067.07 v1(8811.13,13025.98) 8851.32,12998.8 ; 8878.51,12659.59 v1(8891.13,12705.98) 8878.51,12753.29 ; 8878.51,12669.37 v1(8884.8,12625.15) 8916.65,12589.71 ; 8878.51,12738.91 v1(8891.13,12785.98) 8878.51,12833.06 ; 8878.51,12818.68 v1(8891.13,12865.98) 8878.51,12912.41 ; 8878.51,12898.56 v1(8891.13,12945.98) ; 8878.51,12945.98 8878.51,12627.85 9035.04,12471.32 ; 8878.51,12945.98 8878.51,12971.62 ; 8878.51,12945.98 8888.91,12938.82 8878.51,12945.98 ; 8878.51,12945.98 8888.91,12953.14 8878.51,12945.98 ; 8878.51,12945.98 v1(8891.13,12945.98) ; 8878.51,12945.98 v1(8891.13,12945.98) ; 8878.51,12971.62 v1(8891.13,12945.98) ; 9011.44,12494.91 v1(9051.13,12465.98) ; 9035.04,12417.07 v1(9051.13,12465.98) ; 9035.04,12471.32 9047.26,12459.56 9035.04,12471.32 ; 9035.04,12471.32 9051.86,12473.45 9035.04,12471.32 ; 9035.04,12471.32 v1(9051.13,12465.98) ; 9035.04,12471.32 v1(9051.13,12465.98)
  BottomLayer w15: OP6.15@1849.37,12580.16 v1(1849.37,12644.94) OP6.15@1849.37,12610.16 ; OP6.2@1849.37,12832.41 v2(1860.57,12773.45) ; OP6.2@1849.37,12850.16 1849.37,12784.65 ; OP6.13@1949.37,12580.16 v1(1949.37,12644.94) OP6.13@1949.37,12610.16 ; OP6.4@1949.37,12820.16 1949.37,12774.33 OP6.4@1949.37,12850.16 ; OP6.11@2049.37,12580.16 v1(2049.37,12644.94) OP6.11@2049.37,12610.16 ; OP6.6@2049.37,12820.16 2049.37,12773.97 OP6.6@2049.37,12850.16 ; OP6.9@2149.37,12580.16 v1(2149.37,12644.94) ; OP6.9@2149.37,12587.44 v1(2149.37,12644.94) ; OP6.8@2149.37,12820.16 2149.37,12774.35 OP6.8@2149.37,12850.16 ; 2211.13,12857.39 v1(2211.78,12799.88) 2185.78,12773.45 ; 2277.38,12920.5 U2.8@2337.38,12920.5 ; U2.8@2362.38,12920.5 2260.25,12920.5 2211.13,12871.37 2211.13,12798.8 2185.78,12773.45 ; v1@2683.41,12620.5 v1(2685.19,12622.27) ; OP7.15@2927.06,12585.09 v1(2927.06,12649.88) ; OP7.15@2927.06,12592.38 v1(2927.06,12649.88) ; OP7.13@3027.06,12585.09 v1(3027.06,12649.88) ; OP7.13@3027.06,12592.38 v1(3027.06,12649.88) ; OP7.11@3127.06,12585.09 v1(3127.06,12649.88) OP7.11@3127.06,12615.09 ; OP7.9@3227.06,12585.09 v1(3227.06,12649.88) OP7.9@3227.06,12615.09 ; C73.2@6148.82,12951.71 v2(6161.19,12992.37) ; C72.2@6148.82,13033.03 v2(6161.19,12992.37) ; C73.2@6161.19,12944.87 v2(6161.19,12992.37) ; C73.2@6161.19,12949.87 v2(6161.19,12992.37) ; C72.2@6161.19,13034.87 v2(6161.19,12992.37) ; C72.2@6161.19,13039.87 v2(6161.19,12992.37) ; C73.2@6173.55,12951.71 v2(6161.19,12992.37) ; C72.2@6173.55,13033.03 v2(6161.19,12992.37) ; U29.15@8267.38,14723.36 8267.38,14671.6 ; U29.15@8267.38,14748.36 8267.38,14671.6 ; C77.1@8288.65,14640.52 8267.38,14671.6 ; C77.1@8297.02,14631.71 8365.44,14634.54 ; C77.1@8297.64,14644.2 8365.44,14634.54 ; C77.1@8297.64,14649.2 8267.38,14671.6 ; C77.1@8300.53,14656.36 8365.44,14634.54 ; C77.1@8303.31,14660.34 8267.38,14671.6 ; 8315.55,14481.25 v1(8251.13,14465.98) 8197.88,14481.25 8716.32,14481.25 8764.38,14529.32 8764.38,14809.22 ; 8645.8,14669.21 v1(8643.32,14726.87) 8645.8,14784.53 ; 8764.38,14659.42 U30.15@8764.38,14719.42 ; U30.15@8764.38,14769.42 8764.38,14809.22 ; 8768.65,14659.2 U30.15@8764.38,14719.42 ; C75.1@8771.47,14625.04 8764.38,14553.85 ; C75.1@8771.46,14630.44 8764.38,14702.79 ; 8776.75,14658.06 U30.15@8764.38,14719.42 ; C75.1@8783.75,14622.72 8764.38,14553.85 ; C75.1@8783.75,14632.72 8764.38,14702.79 ; 8786.08,14656.92 U30.15@8764.38,14719.42 ; C75.1@8795.44,14618.3 8764.38,14553.85 ; C75.1@8795.47,14637.07 8764.38,14702.79 ; 1849.37,12784.65 v2(1860.57,12773.45) ; 1849.37,12784.65 1849.37,12820.16 v2(1860.57,12773.45) ; 1849.37,12784.65 v2(1860.57,12773.45) ; 1849.37,12784.65 v2(1860.57,12773.45) ; 1849.37,12784.65 v2(1860.57,12773.45) ; v2(1860.57,12773.45) 2185.78,12773.45 ; v1(2149.37,12644.94) 2149.37,12610.16 v1(2149.37,12644.94) ; v1(2927.06,12649.88) 2927.06,12615.09 v1(2927.06,12649.88) ; v1(3027.06,12649.88) 3027.06,12615.09 v1(3027.06,12649.88) ; 8267.38,14671.6 8296.21,14642.76 8304.43,14634.54 8613.35,14634.54 8645.8,14666.99 8645.8,14791.99 8675.85,14822.04 8751.57,14822.04 8764.38,14809.22 ; 8764.38,14702.79 U30.15@8764.38,14719.42 ; 8764.38,14702.79 U30.15@8764.38,14719.42 ; 8764.38,14702.79 U30.15@8764.38,14719.42